# KiCad board panel.kicad_pcb (continued)
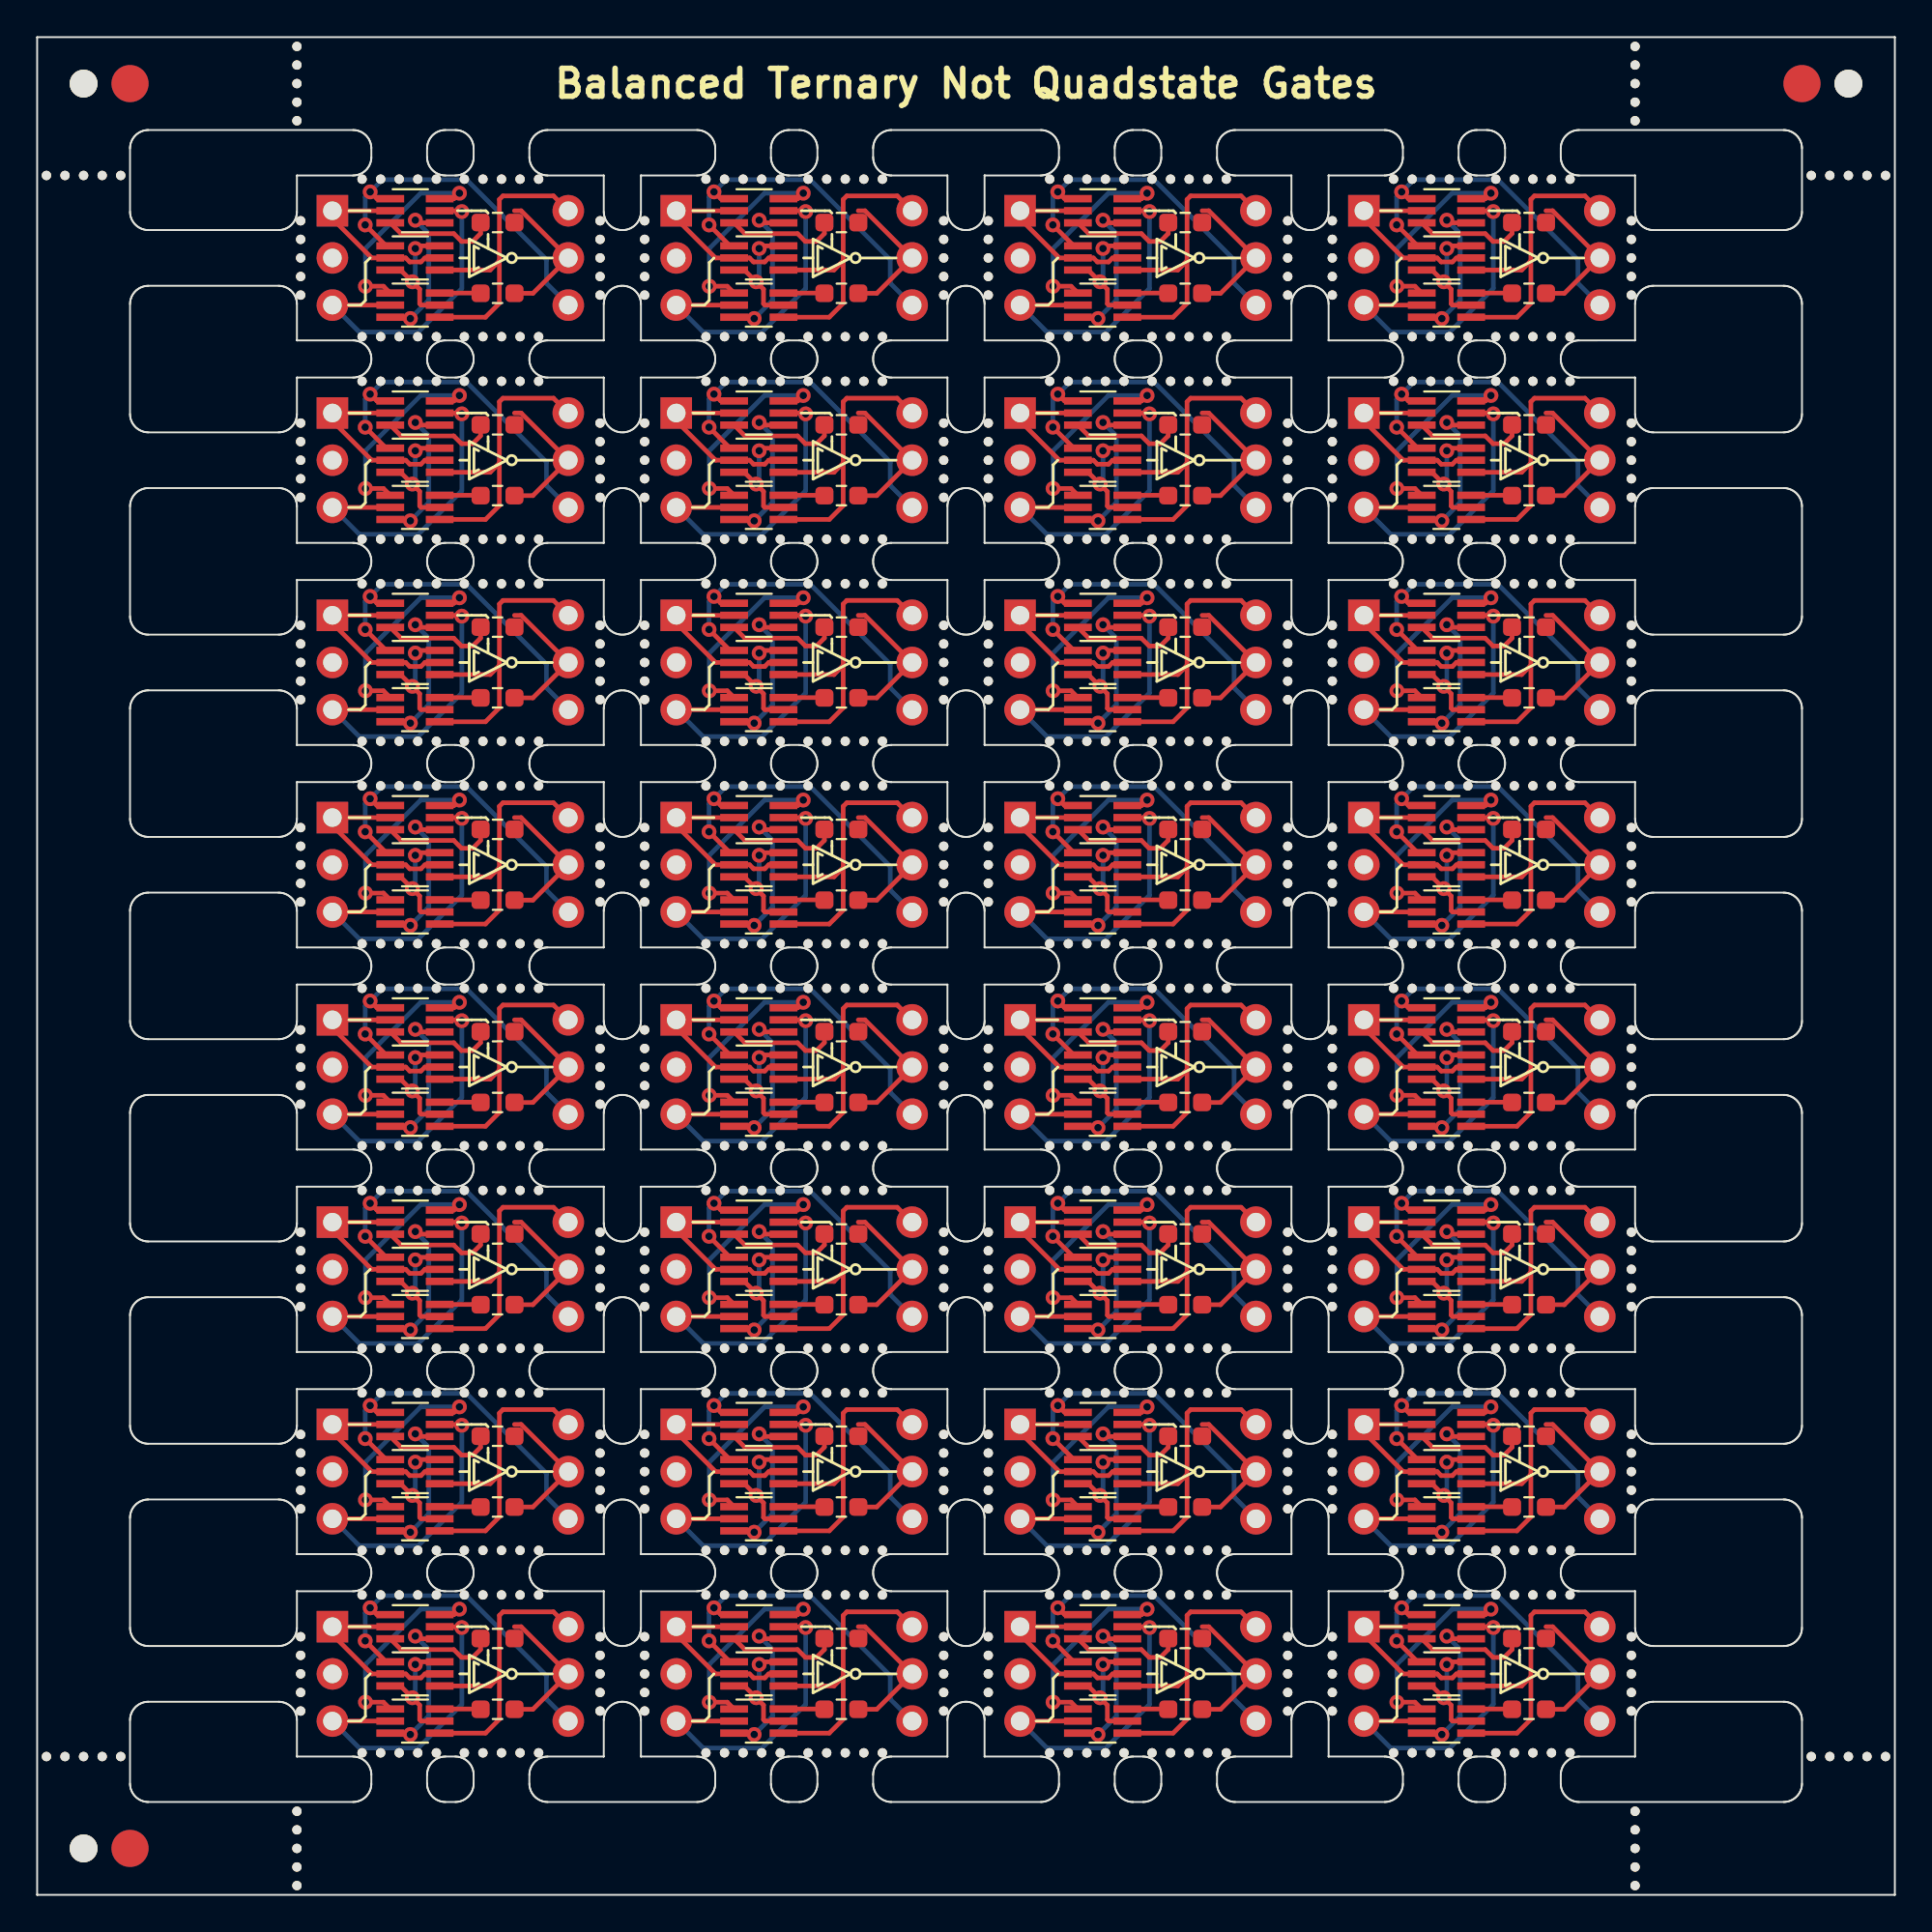
[diagram p0: board, top side]
## Routing (per net, layer and track width the routed paths; a pad name or vN(x,y) marks a point on that pad's centre or on a via; arc(x,y) is an arc through that point) (continued)
  Top w0.25: 44.21,90.67 44.56,90.67 J2#19.2 45.2,86.22 R2#23.1
Board_1-VDD: length 16.7
  Top w0.25: 43.4,87.97 42.9,87.48 Q1#25.4 ; 43.4,87.97 43.4,91.27 43.59,91.47 46.3,91.47 J2#19.1 ; 43.4,87.97 43.4,85.69 42.65,84.94 Q2.4
Board_1-VSS: length 19.4
  Top w0.25: v1(36.44,91.68) 36.8,91.32 Q3#24.1 ; Q1#25.1 37.3,88.78 v1(36.17,89.9)
  Bottom w0.25: v1(36.17,89.9) 36.17,91.42 v1(36.44,91.68) 37.09,92.34 41.63,92.34 45.93,88.03 45.93,86.76 J2#19.3
Board_2-Gate: length 10.4
  Top w0.25: Q3#9.2 J1#20.1 52.92,90.24 55.03,88.13 Q1#32.2 56.86,88.13 57.08,87.91 57.68,87.91 57.9,88.13 Q1#32.5
Board_2-In: length 17
  Top w0.25: v1(59.88,90.62) 59.84,90.67 Q3#9.5 ; Q2#14.2 J1#20.3
  Bottom w0.25: J1#20.3 54.36,84.14 57.54,84.14 59.88,86.48 v1(59.88,90.62)
Board_2-Net-(Q1-Pad3): length 7.1
  Top w0.25: v1(57.38,88.63) 57.52,88.78 Q1#32.6 ; Q1#32.3 56.58,87.48 57.61,86.44 57.61,85.66 57.69,85.59 Q2#14.5
  Bottom w0.25: v1(57.22,86.84) 57.38,87 v1(57.38,88.63)
Board_2-Net-(Q2-Pad1): length 11
  Top w0.25: v1(59.75,91.61) 59.46,91.32 Q3#9.6 ; v1(54.69,86.6) 55.66,86.6 Q2#14.1
  Bottom w0.25: v1(54.69,86.6) 54.69,88.63 57.67,91.61 v1(59.75,91.61)
Board_2-Net-(Q2-Pad3): length 8.5
  Top w0.25: Q3#9.4 57.52,90.02 v1(57.38,90.16) ; Q2#14.3 57.04,84.94 v1(57.11,84.86)
  Bottom w0.25: v1(57.11,84.86) 58.1,85.85 58.1,89.43 v1(57.38,90.16)
Board_2-Net-(Q2-Pad6): length 2.2
  Top w0.25: Q2#14.6 60.88,86.24 R2#29.2
Board_2-Net-(Q3-Pad3): length 6
  Top w0.25: R1#27.1 60.89,89.44 60.47,89.01 59.87,89.01 59.45,89.43 56.61,89.43 Q3#9.3
Board_2-Out: length 7.6
  Top w0.25: 62.72,90.67 63.08,90.67 J2#10.2 63.71,86.22 R2#29.1
Board_2-VDD: length 16.7
  Top w0.25: Q1#32.4 61.41,87.48 61.91,87.97 ; Q2#14.4 61.16,84.94 61.91,85.69 61.91,87.97 ; J2#10.1 64.81,91.47 62.1,91.47 61.91,91.27 61.91,87.97
Board_2-VSS: length 19.4
  Top w0.25: v1(54.95,91.68) 55.31,91.32 Q3#9.1 ; Q1#32.1 55.81,88.78 v1(54.68,89.9)
  Bottom w0.25: v1(54.68,89.9) 54.68,91.42 v1(54.95,91.68) 55.6,92.34 60.14,92.34 64.44,88.03 64.44,86.76 J2#10.3
Board_3-Gate: length 10.4
  Top w0.25: Q3#5.2 J1#4.1 71.42,90.24 73.54,88.13 Q1#18.2 75.37,88.13 75.59,87.91 76.19,87.91 76.41,88.13 Q1#18.5
Board_3-In: length 17
  Top w0.25: Q3#5.5 78.35,90.67 v1(78.39,90.62) ; Q2#27.2 J1#4.3
  Bottom w0.25: J1#4.3 72.87,84.14 76.05,84.14 78.39,86.48 v1(78.39,90.62)
Board_3-Net-(Q1-Pad3): length 7.1
  Top w0.25: Q1#18.6 76.03,88.78 v1(75.89,88.63) ; Q2#27.5 76.2,85.59 76.12,85.66 76.12,86.44 75.09,87.48 Q1#18.3
  Bottom w0.25: v1(75.73,86.84) 75.89,87 v1(75.89,88.63)
Board_3-Net-(Q2-Pad1): length 11
  Top w0.25: v1(78.26,91.61) 77.97,91.32 Q3#5.6 ; v1(73.2,86.6) 74.17,86.6 Q2#27.1
  Bottom w0.25: v1(78.26,91.61) 76.18,91.61 73.2,88.63 v1(73.2,86.6)
Board_3-Net-(Q2-Pad3): length 8.5
  Top w0.25: v1(75.89,90.16) 76.03,90.02 Q3#5.4 ; v1(75.62,84.86) 75.55,84.94 Q2#27.3
  Bottom w0.25: v1(75.89,90.16) 76.61,89.43 76.61,85.85 v1(75.62,84.86)
Board_3-Net-(Q2-Pad6): length 2.2
  Top w0.25: Q2#27.6 79.39,86.24 R2#21.2
Board_3-Net-(Q3-Pad3): length 6
  Top w0.25: R1#26.1 79.4,89.44 78.98,89.01 78.38,89.01 77.96,89.43 75.12,89.43 Q3#5.3
Board_3-Out: length 7.6
  Top w0.25: R2#21.1 82.22,86.22 J2#25.2 81.58,90.67 81.23,90.67
Board_3-VDD: length 16.7
  Top w0.25: Q1#18.4 79.92,87.48 80.42,87.97 ; 80.42,87.97 80.42,91.27 80.61,91.47 83.33,91.47 J2#25.1 ; 80.42,87.97 80.42,85.69 79.67,84.94 Q2#27.4
Board_3-VSS: length 19.4
  Top w0.25: v1(73.19,89.9) 74.32,88.78 Q1#18.1 ; Q3#5.1 73.82,91.32 v1(73.46,91.68)
  Bottom w0.25: J2#25.3 82.95,86.76 82.95,88.03 78.65,92.34 74.11,92.34 v1(73.46,91.68) 73.19,91.42 v1(73.19,89.9)
Board_4-Gate: length 10.4
  Top w0.25: Q3#23.2 J1.1 15.89,79.35 18.01,77.24 Q1#19.2 19.84,77.24 20.06,77.02 20.66,77.02 20.88,77.24 Q1#19.5
Board_4-In: length 17
  Top w0.25: Q3#23.5 22.82,79.78 v1(22.86,79.73) ; Q2#22.2 J1.3
  Bottom w0.25: J1.3 17.34,73.25 20.52,73.25 22.86,75.59 v1(22.86,79.73)
Board_4-Net-(Q1-Pad3): length 7.1
  Top w0.25: v1(20.36,77.74) 20.5,77.89 Q1#19.6 ; Q1#19.3 19.56,76.59 20.59,75.55 20.59,74.77 20.67,74.7 Q2#22.5
  Bottom w0.25: v1(20.36,77.74) 20.36,76.11 v1(20.2,75.95)
Board_4-Net-(Q2-Pad1): length 11
  Top w0.25: v1(22.73,80.72) 22.44,80.43 Q3#23.6 ; v1(17.67,75.71) 18.64,75.71 Q2#22.1
  Bottom w0.25: v1(22.73,80.72) 20.65,80.72 17.67,77.74 v1(17.67,75.71)
Board_4-Net-(Q2-Pad3): length 8.5
  Top w0.25: v1(20.36,79.27) 20.5,79.13 Q3#23.4 ; Q2#22.3 20.02,74.05 v1(20.09,73.97)
  Bottom w0.25: v1(20.36,79.27) 21.08,78.54 21.08,74.96 v1(20.09,73.97)
Board_4-Net-(Q2-Pad6): length 2.2
  Top w0.25: Q2#22.6 23.86,75.35 R2#6.2
Board_4-Net-(Q3-Pad3): length 6
  Top w0.25: Q3#23.3 19.59,78.54 22.43,78.54 22.85,78.12 23.45,78.12 23.87,78.55 R1#15.1
Board_4-Out: length 7.6
  Top w0.25: R2#6.1 26.69,75.33 J2#14.2 26.05,79.78 25.7,79.78
Board_4-VDD: length 16.7
  Top w0.25: 24.88,77.08 24.39,76.59 Q1#19.4 ; 24.88,77.08 24.88,80.38 25.08,80.58 27.8,80.58 J2#14.1 ; 24.88,77.08 24.88,74.8 24.13,74.05 Q2#22.4
Board_4-VSS: length 19.4
  Top w0.25: v1(17.66,79.01) 18.79,77.89 Q1#19.1 ; v1(17.93,80.79) 18.29,80.43 Q3#23.1
  Bottom w0.25: v1(17.66,79.01) 17.66,80.53 v1(17.93,80.79) 18.58,81.45 23.12,81.45 27.42,77.14 27.42,75.87 J2#14.3
Board_5-Gate: length 10.4
  Top w0.25: Q1#20.5 39.39,77.24 39.17,77.02 38.57,77.02 38.35,77.24 Q1#20.2 36.52,77.24 34.41,79.35 J1#15.1 Q3#29.2
Board_5-In: length 17
  Top w0.25: v1(41.37,79.73) 41.33,79.78 Q3#29.5 ; Q2#28.2 J1#15.3
  Bottom w0.25: J1#15.3 35.85,73.25 39.03,73.25 41.37,75.59 v1(41.37,79.73)
Board_5-Net-(Q1-Pad3): length 7.1
  Top w0.25: v1(38.87,77.74) 39.01,77.89 Q1#20.6 ; Q2#28.5 39.18,74.7 39.1,74.77 39.1,75.55 38.07,76.59 Q1#20.3
  Bottom w0.25: v1(38.87,77.74) 38.87,76.11 v1(38.71,75.95)
Board_5-Net-(Q2-Pad1): length 11
  Top w0.25: Q3#29.6 40.95,80.43 v1(41.24,80.72) ; Q2#28.1 37.15,75.71 v1(36.18,75.71)
  Bottom w0.25: v1(41.24,80.72) 39.16,80.72 36.18,77.74 v1(36.18,75.71)
Board_5-Net-(Q2-Pad3): length 8.5
  Top w0.25: v1(38.6,73.97) 38.53,74.05 Q2#28.3 ; Q3#29.4 39.01,79.13 v1(38.87,79.27)
  Bottom w0.25: v1(38.6,73.97) 39.59,74.96 39.59,78.54 v1(38.87,79.27)
Board_5-Net-(Q2-Pad6): length 2.2
  Top w0.25: Q2#28.6 42.37,75.35 R2#17.2
Board_5-Net-(Q3-Pad3): length 6
  Top w0.25: R1#4.1 42.38,78.55 41.96,78.12 41.36,78.12 40.94,78.54 38.1,78.54 Q3#29.3
Board_5-Out: length 7.6
  Top w0.25: 44.21,79.78 44.56,79.78 J2#12.2 45.2,75.33 R2#17.1
Board_5-VDD: length 16.7
  Top w0.25: Q2#28.4 42.65,74.05 43.4,74.8 43.4,77.08 ; 43.4,77.08 43.4,80.38 43.59,80.58 46.3,80.58 J2#12.1 ; 43.4,77.08 42.9,76.59 Q1#20.4
Board_5-VSS: length 19.4
  Top w0.25: Q1#20.1 37.3,77.89 v1(36.17,79.01) ; Q3#29.1 36.8,80.43 v1(36.44,80.79)
  Bottom w0.25: J2#12.3 45.93,75.87 45.93,77.14 41.63,81.45 37.09,81.45 v1(36.44,80.79) 36.17,80.53 v1(36.17,79.01)
Board_6-Gate: length 10.4
  Top w0.25: Q3#22.2 J1#32.1 52.92,79.35 55.03,77.24 Q1#26.2 56.86,77.24 57.08,77.02 57.68,77.02 57.9,77.24 Q1#26.5
Board_6-In: length 17
  Top w0.25: v1(59.88,79.73) 59.84,79.78 Q3#22.5 ; Q2#11.2 J1#32.3
  Bottom w0.25: J1#32.3 54.36,73.25 57.54,73.25 59.88,75.59 v1(59.88,79.73)
Board_6-Net-(Q1-Pad3): length 7.1
  Top w0.25: Q2#11.5 57.69,74.7 57.61,74.77 57.61,75.55 56.58,76.59 Q1#26.3 ; Q1#26.6 57.52,77.89 v1(57.38,77.74)
  Bottom w0.25: v1(57.38,77.74) 57.38,76.11 v1(57.22,75.95)
Board_6-Net-(Q2-Pad1): length 11
  Top w0.25: v1(54.69,75.71) 55.66,75.71 Q2#11.1 ; v1(59.75,80.72) 59.46,80.43 Q3#22.6
  Bottom w0.25: v1(59.75,80.72) 57.67,80.72 54.69,77.74 v1(54.69,75.71)
Board_6-Net-(Q2-Pad3): length 8.5
  Top w0.25: Q3#22.4 57.52,79.13 v1(57.38,79.27) ; v1(57.11,73.97) 57.04,74.05 Q2#11.3
  Bottom w0.25: v1(57.38,79.27) 58.1,78.54 58.1,74.96 v1(57.11,73.97)
Board_6-Net-(Q2-Pad6): length 2.2
  Top w0.25: Q2#11.6 60.88,75.35 R2#27.2
Board_6-Net-(Q3-Pad3): length 6
  Top w0.25: R1.1 60.89,78.55 60.47,78.12 59.87,78.12 59.45,78.54 56.61,78.54 Q3#22.3
Board_6-Out: length 7.6
  Top w0.25: 62.72,79.78 63.08,79.78 J2#22.2 63.71,75.33 R2#27.1
Board_6-VDD: length 16.7
  Top w0.25: 61.91,77.08 61.41,76.59 Q1#26.4 ; 61.91,77.08 61.91,80.38 62.1,80.58 64.81,80.58 J2#22.1 ; 61.91,77.08 61.91,74.8 61.16,74.05 Q2#11.4
Board_6-VSS: length 19.4
  Top w0.25: Q3#22.1 55.31,80.43 v1(54.95,80.79) ; v1(54.68,79.01) 55.81,77.89 Q1#26.1
  Bottom w0.25: v1(54.68,79.01) 54.68,80.53 v1(54.95,80.79) 55.6,81.45 60.14,81.45 64.44,77.14 64.44,75.87 J2#22.3
Board_7-Gate: length 10.4
  Top w0.25: Q1#23.5 76.41,77.24 76.19,77.02 75.59,77.02 75.37,77.24 Q1#23.2 73.54,77.24 71.42,79.35 J1#23.1 Q3#11.2
Board_7-In: length 17
  Top w0.25: v1(78.39,79.73) 78.35,79.78 Q3#11.5 ; Q2#5.2 J1#23.3
  Bottom w0.25: J1#23.3 72.87,73.25 76.05,73.25 78.39,75.59 v1(78.39,79.73)
Board_7-Net-(Q1-Pad3): length 7.1
  Top w0.25: v1(75.89,77.74) 76.03,77.89 Q1#23.6 ; Q2#5.5 76.2,74.7 76.12,74.77 76.12,75.55 75.09,76.59 Q1#23.3
  Bottom w0.25: v1(75.89,77.74) 75.89,76.11 v1(75.73,75.95)
Board_7-Net-(Q2-Pad1): length 11
  Top w0.25: Q2#5.1 74.17,75.71 v1(73.2,75.71) ; Q3#11.6 77.97,80.43 v1(78.26,80.72)
  Bottom w0.25: v1(78.26,80.72) 76.18,80.72 73.2,77.74 v1(73.2,75.71)
Board_7-Net-(Q2-Pad3): length 8.5
  Top w0.25: Q2#5.3 75.55,74.05 v1(75.62,73.97) ; Q3#11.4 76.03,79.13 v1(75.89,79.27)
  Bottom w0.25: v1(75.89,79.27) 76.61,78.54 76.61,74.96 v1(75.62,73.97)
Board_7-Net-(Q2-Pad6): length 2.2
  Top w0.25: Q2#5.6 79.39,75.35 R2#24.2
Board_7-Net-(Q3-Pad3): length 6
  Top w0.25: R1#13.1 79.4,78.55 78.98,78.12 78.38,78.12 77.96,78.54 75.12,78.54 Q3#11.3
Board_7-Out: length 7.6
  Top w0.25: R2#24.1 82.22,75.33 J2#17.2 81.58,79.78 81.23,79.78
Board_7-VDD: length 16.7
  Top w0.25: Q2#5.4 79.67,74.05 80.42,74.8 80.42,77.08 ; 80.42,77.08 79.92,76.59 Q1#23.4 ; 80.42,77.08 80.42,80.38 80.61,80.58 83.33,80.58 J2#17.1
Board_7-VSS: length 19.4
  Top w0.25: Q3#11.1 73.82,80.43 v1(73.46,80.79) ; Q1#23.1 74.32,77.89 v1(73.19,79.01)
  Bottom w0.25: v1(73.19,79.01) 73.19,80.53 v1(73.46,80.79) 74.11,81.45 78.65,81.45 82.95,77.14 82.95,75.87 J2#17.3
Board_8-Gate: length 10.4
  Top w0.25: Q3#18.2 J1#16.1 15.89,68.46 18.01,66.35 Q1#5.2 19.84,66.35 20.06,66.13 20.66,66.13 20.88,66.35 Q1#5.5
Board_8-In: length 17
  Top w0.25: Q3#18.5 22.82,68.89 v1(22.86,68.84) ; Q2#12.2 J1#16.3
  Bottom w0.25: v1(22.86,68.84) 22.86,64.7 20.52,62.36 17.34,62.36 J1#16.3
Board_8-Net-(Q1-Pad3): length 7.1
  Top w0.25: Q1#5.6 20.5,67 v1(20.36,66.85) ; Q2#12.5 20.67,63.81 20.59,63.88 20.59,64.66 19.56,65.7 Q1#5.3
  Bottom w0.25: v1(20.36,66.85) 20.36,65.22 v1(20.2,65.06)
Board_8-Net-(Q2-Pad1): length 11
  Top w0.25: Q3#18.6 22.44,69.54 v1(22.73,69.83) ; Q2#12.1 18.64,64.82 v1(17.67,64.82)
  Bottom w0.25: v1(17.67,64.82) 17.67,66.85 20.65,69.83 v1(22.73,69.83)
Board_8-Net-(Q2-Pad3): length 8.5
  Top w0.25: v1(20.09,63.08) 20.02,63.16 Q2#12.3 ; Q3#18.4 20.5,68.24 v1(20.36,68.38)
  Bottom w0.25: v1(20.36,68.38) 21.08,67.65 21.08,64.07 v1(20.09,63.08)
Board_8-Net-(Q2-Pad6): length 2.2
  Top w0.25: R2#22.2 23.86,64.46 Q2#12.6
Board_8-Net-(Q3-Pad3): length 6
  Top w0.25: Q3#18.3 19.59,67.65 22.43,67.65 22.85,67.23 23.45,67.23 23.87,67.66 R1#28.1
Board_8-Out: length 7.6
  Top w0.25: R2#22.1 26.69,64.44 J2#28.2 26.05,68.89 25.7,68.89
Board_8-VDD: length 16.7
  Top w0.25: 24.88,66.19 24.39,65.7 Q1#5.4 ; 24.88,66.19 24.88,63.91 24.13,63.16 Q2#12.4 ; 24.88,66.19 24.88,69.49 25.08,69.69 27.8,69.69 J2#28.1
Board_8-VSS: length 19.4
  Top w0.25: Q3#18.1 18.29,69.54 v1(17.93,69.9) ; v1(17.66,68.12) 18.79,67 Q1#5.1
  Bottom w0.25: J2#28.3 27.42,64.98 27.42,66.25 23.12,70.56 18.58,70.56 v1(17.93,69.9) 17.66,69.64 v1(17.66,68.12)
Board_9-Gate: length 10.4
  Top w0.25: Q3#7.2 J1#8.1 34.41,68.46 36.52,66.35 Q1#6.2 38.35,66.35 38.57,66.13 39.17,66.13 39.39,66.35 Q1#6.5
Board_9-In: length 17
  Top w0.25: v1(41.37,68.84) 41.33,68.89 Q3#7.5 ; Q2#10.2 J1#8.3
  Bottom w0.25: v1(41.37,68.84) 41.37,64.7 39.03,62.36 35.85,62.36 J1#8.3
Board_9-Net-(Q1-Pad3): length 7.1
  Top w0.25: Q2#10.5 39.18,63.81 39.1,63.88 39.1,64.66 38.07,65.7 Q1#6.3 ; v1(38.87,66.85) 39.01,67 Q1#6.6
  Bottom w0.25: v1(38.87,66.85) 38.87,65.22 v1(38.71,65.06)
Board_9-Net-(Q2-Pad1): length 11
  Top w0.25: Q3#7.6 40.95,69.54 v1(41.24,69.83) ; Q2#10.1 37.15,64.82 v1(36.18,64.82)
  Bottom w0.25: v1(41.24,69.83) 39.16,69.83 36.18,66.85 v1(36.18,64.82)
Board_9-Net-(Q2-Pad3): length 8.5
  Top w0.25: Q3#7.4 39.01,68.24 v1(38.87,68.38) ; Q2#10.3 38.53,63.16 v1(38.6,63.08)
  Bottom w0.25: v1(38.6,63.08) 39.59,64.07 39.59,67.65 v1(38.87,68.38)
Board_9-Net-(Q2-Pad6): length 2.2
  Top w0.25: R2#2.2 42.37,64.46 Q2#10.6
Board_9-Net-(Q3-Pad3): length 6
  Top w0.25: Q3#7.3 38.1,67.65 40.94,67.65 41.36,67.23 41.96,67.23 42.38,67.66 R1#2.1
Board_9-Out: length 7.6
  Top w0.25: R2#2.1 45.2,64.44 J2#16.2 44.56,68.89 44.21,68.89
Board_9-VDD: length 16.7
  Top w0.25: Q1#6.4 42.9,65.7 43.4,66.19 ; J2#16.1 46.3,69.69 43.59,69.69 43.4,69.49 43.4,66.19 ; 43.4,66.19 43.4,63.91 42.65,63.16 Q2#10.4
Board_9-VSS: length 19.4
  Top w0.25: Q3#7.1 36.8,69.54 v1(36.44,69.9) ; v1(36.17,68.12) 37.3,67 Q1#6.1
  Bottom w0.25: J2#16.3 45.93,64.98 45.93,66.25 41.63,70.56 37.09,70.56 v1(36.44,69.9) 36.17,69.64 v1(36.17,68.12)
Board_10-Gate: length 10.4
  Top w0.25: Q3#31.2 J1#31.1 52.92,68.46 55.03,66.35 Q1#21.2 56.86,66.35 57.08,66.13 57.68,66.13 57.9,66.35 Q1#21.5
Board_10-In: length 17
  Top w0.25: v1(59.88,68.84) 59.84,68.89 Q3#31.5 ; Q2#21.2 J1#31.3
  Bottom w0.25: v1(59.88,68.84) 59.88,64.7 57.54,62.36 54.36,62.36 J1#31.3
Board_10-Net-(Q1-Pad3): length 7.1
  Top w0.25: Q2#21.5 57.69,63.81 57.61,63.88 57.61,64.66 56.58,65.7 Q1#21.3 ; v1(57.38,66.85) 57.52,67 Q1#21.6
  Bottom w0.25: v1(57.22,65.06) 57.38,65.22 v1(57.38,66.85)
Board_10-Net-(Q2-Pad1): length 11
  Top w0.25: v1(59.75,69.83) 59.46,69.54 Q3#31.6 ; v1(54.69,64.82) 55.66,64.82 Q2#21.1
  Bottom w0.25: v1(59.75,69.83) 57.67,69.83 54.69,66.85 v1(54.69,64.82)
Board_10-Net-(Q2-Pad3): length 8.5
  Top w0.25: Q3#31.4 57.52,68.24 v1(57.38,68.38) ; Q2#21.3 57.04,63.16 v1(57.11,63.08)
  Bottom w0.25: v1(57.38,68.38) 58.1,67.65 58.1,64.07 v1(57.11,63.08)
Board_10-Net-(Q2-Pad6): length 2.2
  Top w0.25: R2#31.2 60.88,64.46 Q2#21.6
Board_10-Net-(Q3-Pad3): length 6
  Top w0.25: R1#17.1 60.89,67.66 60.47,67.23 59.87,67.23 59.45,67.65 56.61,67.65 Q3#31.3
Board_10-Out: length 7.6
  Top w0.25: R2#31.1 63.71,64.44 J2#29.2 63.08,68.89 62.72,68.89
Board_10-VDD: length 16.7
  Top w0.25: 61.91,66.19 61.91,63.91 61.16,63.16 Q2#21.4 ; 61.91,66.19 61.41,65.7 Q1#21.4 ; 61.91,66.19 61.91,69.49 62.1,69.69 64.81,69.69 J2#29.1
Board_10-VSS: length 19.4
  Top w0.25: v1(54.95,69.9) 55.31,69.54 Q3#31.1 ; v1(54.68,68.12) 55.81,67 Q1#21.1
  Bottom w0.25: v1(54.68,68.12) 54.68,69.64 v1(54.95,69.9) 55.6,70.56 60.14,70.56 64.44,66.25 64.44,64.98 J2#29.3
Board_11-Gate: length 10.4
  Top w0.25: Q1#29.5 76.41,66.35 76.19,66.13 75.59,66.13 75.37,66.35 Q1#29.2 73.54,66.35 71.42,68.46 J1#5.1 Q3#27.2
Board_11-In: length 17
  Top w0.25: v1(78.39,68.84) 78.35,68.89 Q3#27.5 ; Q2#4.2 J1#5.3
  Bottom w0.25: J1#5.3 72.87,62.36 76.05,62.36 78.39,64.7 v1(78.39,68.84)
Board_11-Net-(Q1-Pad3): length 7.1
  Top w0.25: Q1#29.3 75.09,65.7 76.12,64.66 76.12,63.88 76.2,63.81 Q2#4.5 ; Q1#29.6 76.03,67 v1(75.89,66.85)
  Bottom w0.25: v1(75.73,65.06) 75.89,65.22 v1(75.89,66.85)
Board_11-Net-(Q2-Pad1): length 11
  Top w0.25: Q3#27.6 77.97,69.54 v1(78.26,69.83) ; v1(73.2,64.82) 74.17,64.82 Q2#4.1
  Bottom w0.25: v1(73.2,64.82) 73.2,66.85 76.18,69.83 v1(78.26,69.83)
Board_11-Net-(Q2-Pad3): length 8.5
  Top w0.25: v1(75.62,63.08) 75.55,63.16 Q2#4.3 ; v1(75.89,68.38) 76.03,68.24 Q3#27.4
  Bottom w0.25: v1(75.89,68.38) 76.61,67.65 76.61,64.07 v1(75.62,63.08)
Board_11-Net-(Q2-Pad6): length 2.2
  Top w0.25: R2#4.2 79.39,64.46 Q2#4.6
Board_11-Net-(Q3-Pad3): length 6
  Top w0.25: Q3#27.3 75.12,67.65 77.96,67.65 78.38,67.23 78.98,67.23 79.4,67.66 R1#9.1
Board_11-Out: length 7.6
  Top w0.25: R2#4.1 82.22,64.44 J2#4.2 81.58,68.89 81.23,68.89
Board_11-VDD: length 16.7
  Top w0.25: 80.42,66.19 79.92,65.7 Q1#29.4 ; 80.42,66.19 80.42,69.49 80.61,69.69 83.33,69.69 J2#4.1 ; 80.42,66.19 80.42,63.91 79.67,63.16 Q2#4.4
Board_11-VSS: length 19.4
  Top w0.25: v1(73.19,68.12) 74.32,67 Q1#29.1 ; Q3#27.1 73.82,69.54 v1(73.46,69.9)
  Bottom w0.25: J2#4.3 82.95,64.98 82.95,66.25 78.65,70.56 74.11,70.56 v1(73.46,69.9) 73.19,69.64 v1(73.19,68.12)
Board_12-Gate: length 10.4
  Top w0.25: Q3#8.2 J1#9.1 15.89,57.57 18.01,55.46 Q1#16.2 19.84,55.46 20.06,55.24 20.66,55.24 20.88,55.46 Q1#16.5
Board_12-In: length 17
  Top w0.25: Q2#23.2 J1#9.3 ; v1(22.86,57.95) 22.82,58 Q3#8.5
  Bottom w0.25: J1#9.3 17.34,51.47 20.52,51.47 22.86,53.81 v1(22.86,57.95)
Board_12-Net-(Q1-Pad3): length 7.1
  Top w0.25: Q2#23.5 20.67,52.92 20.59,52.99 20.59,53.77 19.56,54.81 Q1#16.3 ; v1(20.36,55.96) 20.5,56.11 Q1#16.6
  Bottom w0.25: v1(20.2,54.17) 20.36,54.33 v1(20.36,55.96)
Board_12-Net-(Q2-Pad1): length 11
  Top w0.25: v1(22.73,58.94) 22.44,58.65 Q3#8.6 ; v1(17.67,53.93) 18.64,53.93 Q2#23.1
  Bottom w0.25: v1(22.73,58.94) 20.65,58.94 17.67,55.96 v1(17.67,53.93)
Board_12-Net-(Q2-Pad3): length 8.5
  Top w0.25: Q3#8.4 20.5,57.35 v1(20.36,57.49) ; Q2#23.3 20.02,52.27 v1(20.09,52.19)
  Bottom w0.25: v1(20.09,52.19) 21.08,53.18 21.08,56.76 v1(20.36,57.49)
Board_12-Net-(Q2-Pad6): length 2.2
  Top w0.25: Q2#23.6 23.86,53.57 R2#25.2
Board_12-Net-(Q3-Pad3): length 6
  Top w0.25: R1#22.1 23.87,56.77 23.45,56.34 22.85,56.34 22.43,56.76 19.59,56.76 Q3#8.3
Board_12-Out: length 7.6
  Top w0.25: 25.7,58 26.05,58 J2#21.2 26.69,53.55 R2#25.1
Board_12-VDD: length 16.7
  Top w0.25: Q2#23.4 24.13,52.27 24.88,53.02 24.88,55.3 ; 24.88,55.3 24.39,54.81 Q1#16.4 ; 24.88,55.3 24.88,58.6 25.08,58.8 27.8,58.8 J2#21.1
Board_12-VSS: length 19.4
  Top w0.25: v1(17.93,59.01) 18.29,58.65 Q3#8.1 ; Q1#16.1 18.79,56.11 v1(17.66,57.23)
  Bottom w0.25: v1(17.66,57.23) 17.66,58.75 v1(17.93,59.01) 18.58,59.67 23.12,59.67 27.42,55.36 27.42,54.09 J2#21.3
Board_13-Gate: length 10.4
  Top w0.25: Q3#32.2 J1#18.1 34.41,57.57 36.52,55.46 Q1#11.2 38.35,55.46 38.57,55.24 39.17,55.24 39.39,55.46 Q1#11.5
Board_13-In: length 17
  Top w0.25: Q2#20.2 J1#18.3 ; Q3#32.5 41.33,58 v1(41.37,57.95)
  Bottom w0.25: J1#18.3 35.85,51.47 39.03,51.47 41.37,53.81 v1(41.37,57.95)
Board_13-Net-(Q1-Pad3): length 7.1
  Top w0.25: Q1#11.3 38.07,54.81 39.1,53.77 39.1,52.99 39.18,52.92 Q2#20.5 ; v1(38.87,55.96) 39.01,56.11 Q1#11.6
  Bottom w0.25: v1(38.71,54.17) 38.87,54.33 v1(38.87,55.96)
Board_13-Net-(Q2-Pad1): length 11
  Top w0.25: v1(36.18,53.93) 37.15,53.93 Q2#20.1 ; Q3#32.6 40.95,58.65 v1(41.24,58.94)
  Bottom w0.25: v1(36.18,53.93) 36.18,55.96 39.16,58.94 v1(41.24,58.94)
Board_13-Net-(Q2-Pad3): length 8.5
  Top w0.25: v1(38.87,57.49) 39.01,57.35 Q3#32.4 ; Q2#20.3 38.53,52.27 v1(38.6,52.19)
  Bottom w0.25: v1(38.6,52.19) 39.59,53.18 39.59,56.76 v1(38.87,57.49)
Board_13-Net-(Q2-Pad6): length 2.2
  Top w0.25: Q2#20.6 42.37,53.57 R2#30.2
Board_13-Net-(Q3-Pad3): length 6
  Top w0.25: Q3#32.3 38.1,56.76 40.94,56.76 41.36,56.34 41.96,56.34 42.38,56.77 R1#18.1
Board_13-Out: length 7.6
  Top w0.25: R2#30.1 45.2,53.55 J2#7.2 44.56,58 44.21,58
Board_13-VDD: length 16.7
  Top w0.25: J2#7.1 46.3,58.8 43.59,58.8 43.4,58.6 43.4,55.3 ; Q1#11.4 42.9,54.81 43.4,55.3 ; 43.4,55.3 43.4,53.02 42.65,52.27 Q2#20.4
Board_13-VSS: length 19.4
  Top w0.25: Q1#11.1 37.3,56.11 v1(36.17,57.23) ; Q3#32.1 36.8,58.65 v1(36.44,59.01)
  Bottom w0.25: v1(36.17,57.23) 36.17,58.75 v1(36.44,59.01) 37.09,59.67 41.63,59.67 45.93,55.36 45.93,54.09 J2#7.3
Board_14-Gate: length 10.4
  Top w0.25: Q3#20.2 J1#26.1 52.92,57.57 55.03,55.46 Q1#28.2 56.86,55.46 57.08,55.24 57.68,55.24 57.9,55.46 Q1#28.5
Board_14-In: length 17
  Top w0.25: v1(59.88,57.95) 59.84,58 Q3#20.5 ; Q2#3.2 J1#26.3
  Bottom w0.25: v1(59.88,57.95) 59.88,53.81 57.54,51.47 54.36,51.47 J1#26.3
Board_14-Net-(Q1-Pad3): length 7.1
  Top w0.25: Q1#28.3 56.58,54.81 57.61,53.77 57.61,52.99 57.69,52.92 Q2#3.5 ; v1(57.38,55.96) 57.52,56.11 Q1#28.6
  Bottom w0.25: v1(57.38,55.96) 57.38,54.33 v1(57.22,54.17)
Board_14-Net-(Q2-Pad1): length 11
  Top w0.25: v1(59.75,58.94) 59.46,58.65 Q3#20.6 ; Q2#3.1 55.66,53.93 v1(54.69,53.93)
  Bottom w0.25: v1(54.69,53.93) 54.69,55.96 57.67,58.94 v1(59.75,58.94)
Board_14-Net-(Q2-Pad3): length 8.5
  Top w0.25: Q2#3.3 57.04,52.27 v1(57.11,52.19) ; v1(57.38,57.49) 57.52,57.35 Q3#20.4
  Bottom w0.25: v1(57.11,52.19) 58.1,53.18 58.1,56.76 v1(57.38,57.49)
Board_14-Net-(Q2-Pad6): length 2.2
  Top w0.25: R2#8.2 60.88,53.57 Q2#3.6
Board_14-Net-(Q3-Pad3): length 6
  Top w0.25: R1#21.1 60.89,56.77 60.47,56.34 59.87,56.34 59.45,56.76 56.61,56.76 Q3#20.3
Board_14-Out: length 7.6
  Top w0.25: R2#8.1 63.71,53.55 J2#5.2 63.08,58 62.72,58
Board_14-VDD: length 16.7
  Top w0.25: Q1#28.4 61.41,54.81 61.91,55.3 ; 61.91,55.3 61.91,58.6 62.1,58.8 64.81,58.8 J2#5.1 ; 61.91,55.3 61.91,53.02 61.16,52.27 Q2#3.4
Board_14-VSS: length 19.4
  Top w0.25: Q3#20.1 55.31,58.65 v1(54.95,59.01) ; v1(54.68,57.23) 55.81,56.11 Q1#28.1
  Bottom w0.25: v1(54.68,57.23) 54.68,58.75 v1(54.95,59.01) 55.6,59.67 60.14,59.67 64.44,55.36 64.44,54.09 J2#5.3
Board_15-Gate: length 10.4
  Top w0.25: Q3#10.2 J1#22.1 71.42,57.57 73.54,55.46 Q1#13.2 75.37,55.46 75.59,55.24 76.19,55.24 76.41,55.46 Q1#13.5
Board_15-In: length 17
  Top w0.25: Q3#10.5 78.35,58 v1(78.39,57.95) ; Q2#19.2 J1#22.3
  Bottom w0.25: J1#22.3 72.87,51.47 76.05,51.47 78.39,53.81 v1(78.39,57.95)
Board_15-Net-(Q1-Pad3): length 7.1
  Top w0.25: v1(75.89,55.96) 76.03,56.11 Q1#13.6 ; Q1#13.3 75.09,54.81 76.12,53.77 76.12,52.99 76.2,52.92 Q2#19.5
  Bottom w0.25: v1(75.89,55.96) 75.89,54.33 v1(75.73,54.17)
Board_15-Net-(Q2-Pad1): length 11
  Top w0.25: Q2#19.1 74.17,53.93 v1(73.2,53.93) ; Q3#10.6 77.97,58.65 v1(78.26,58.94)
  Bottom w0.25: v1(78.26,58.94) 76.18,58.94 73.2,55.96 v1(73.2,53.93)
Board_15-Net-(Q2-Pad3): length 8.5
  Top w0.25: v1(75.62,52.19) 75.55,52.27 Q2#19.3 ; v1(75.89,57.49) 76.03,57.35 Q3#10.4
  Bottom w0.25: v1(75.62,52.19) 76.61,53.18 76.61,56.76 v1(75.89,57.49)
Board_15-Net-(Q2-Pad6): length 2.2
  Top w0.25: Q2#19.6 79.39,53.57 R2#32.2
Board_15-Net-(Q3-Pad3): length 6
  Top w0.25: Q3#10.3 75.12,56.76 77.96,56.76 78.38,56.34 78.98,56.34 79.4,56.77 R1#16.1
Board_15-Out: length 7.6
  Top w0.25: 81.23,58 81.58,58 J2#26.2 82.22,53.55 R2#32.1
Board_15-VDD: length 16.7
  Top w0.25: 80.42,55.3 80.42,53.02 79.67,52.27 Q2#19.4 ; 80.42,55.3 80.42,58.6 80.61,58.8 83.33,58.8 J2#26.1 ; 80.42,55.3 79.92,54.81 Q1#13.4
Board_15-VSS: length 19.4
  Top w0.25: Q1#13.1 74.32,56.11 v1(73.19,57.23) ; Q3#10.1 73.82,58.65 v1(73.46,59.01)
  Bottom w0.25: v1(73.19,57.23) 73.19,58.75 v1(73.46,59.01) 74.11,59.67 78.65,59.67 82.95,55.36 82.95,54.09 J2#26.3
Board_16-Gate: length 10.4
  Top w0.25: Q1#4.5 20.88,44.57 20.66,44.35 20.06,44.35 19.84,44.57 Q1#4.2 18.01,44.57 15.89,46.68 J1#25.1 Q3#30.2
Board_16-In: length 17
  Top w0.25: Q3#30.5 22.82,47.11 v1(22.86,47.06) ; Q2#9.2 J1#25.3
  Bottom w0.25: v1(22.86,47.06) 22.86,42.92 20.52,40.58 17.34,40.58 J1#25.3
Board_16-Net-(Q1-Pad3): length 7.1
  Top w0.25: v1(20.36,45.07) 20.5,45.22 Q1#4.6 ; Q2#9.5 20.67,42.03 20.59,42.1 20.59,42.88 19.56,43.92 Q1#4.3
  Bottom w0.25: v1(20.36,45.07) 20.36,43.44 v1(20.2,43.28)
Board_16-Net-(Q2-Pad1): length 11
  Top w0.25: Q2#9.1 18.64,43.04 v1(17.67,43.04) ; Q3#30.6 22.44,47.76 v1(22.73,48.05)
  Bottom w0.25: v1(17.67,43.04) 17.67,45.07 20.65,48.05 v1(22.73,48.05)
Board_16-Net-(Q2-Pad3): length 8.5
  Top w0.25: v1(20.09,41.3) 20.02,41.38 Q2#9.3 ; v1(20.36,46.6) 20.5,46.46 Q3#30.4
  Bottom w0.25: v1(20.09,41.3) 21.08,42.29 21.08,45.87 v1(20.36,46.6)
Board_16-Net-(Q2-Pad6): length 2.2
  Top w0.25: Q2#9.6 23.86,42.68 R2#11.2
Board_16-Net-(Q3-Pad3): length 6
  Top w0.25: R1#29.1 23.87,45.88 23.45,45.45 22.85,45.45 22.43,45.87 19.59,45.87 Q3#30.3
Board_16-Out: length 7.6
  Top w0.25: 25.7,47.11 26.05,47.11 J2#3.2 26.69,42.66 R2#11.1
Board_16-VDD: length 16.7
  Top w0.25: 24.88,44.41 24.88,47.71 25.08,47.91 27.8,47.91 J2#3.1 ; 24.88,44.41 24.39,43.92 Q1#4.4 ; 24.88,44.41 24.88,42.13 24.13,41.38 Q2#9.4
Board_16-VSS: length 19.4
  Top w0.25: v1(17.93,48.12) 18.29,47.76 Q3#30.1 ; Q1#4.1 18.79,45.22 v1(17.66,46.34)
  Bottom w0.25: J2#3.3 27.42,43.2 27.42,44.47 23.12,48.78 18.58,48.78 v1(17.93,48.12) 17.66,47.86 v1(17.66,46.34)
Board_17-Gate: length 10.4
  Top w0.25: Q1#31.5 39.39,44.57 39.17,44.35 38.57,44.35 38.35,44.57 Q1#31.2 36.52,44.57 34.41,46.68 J1#19.1 Q3#6.2
Board_17-In: length 17
  Top w0.25: Q3#6.5 41.33,47.11 v1(41.37,47.06) ; Q2#31.2 J1#19.3
  Bottom w0.25: v1(41.37,47.06) 41.37,42.92 39.03,40.58 35.85,40.58 J1#19.3
Board_17-Net-(Q1-Pad3): length 7.1
  Top w0.25: Q1#31.6 39.01,45.22 v1(38.87,45.07) ; Q2#31.5 39.18,42.03 39.1,42.1 39.1,42.88 38.07,43.92 Q1#31.3
  Bottom w0.25: v1(38.71,43.28) 38.87,43.44 v1(38.87,45.07)
Board_17-Net-(Q2-Pad1): length 11
  Top w0.25: v1(41.24,48.05) 40.95,47.76 Q3#6.6 ; v1(36.18,43.04) 37.15,43.04 Q2#31.1
  Bottom w0.25: v1(41.24,48.05) 39.16,48.05 36.18,45.07 v1(36.18,43.04)
Board_17-Net-(Q2-Pad3): length 8.5
  Top w0.25: v1(38.6,41.3) 38.53,41.38 Q2#31.3 ; v1(38.87,46.6) 39.01,46.46 Q3#6.4
  Bottom w0.25: v1(38.6,41.3) 39.59,42.29 39.59,45.87 v1(38.87,46.6)
Board_17-Net-(Q2-Pad6): length 2.2
  Top w0.25: Q2#31.6 42.37,42.68 R2#16.2
